# Altium PCB CONTROLLER.PcbDoc (part 1 of 4) (continued)
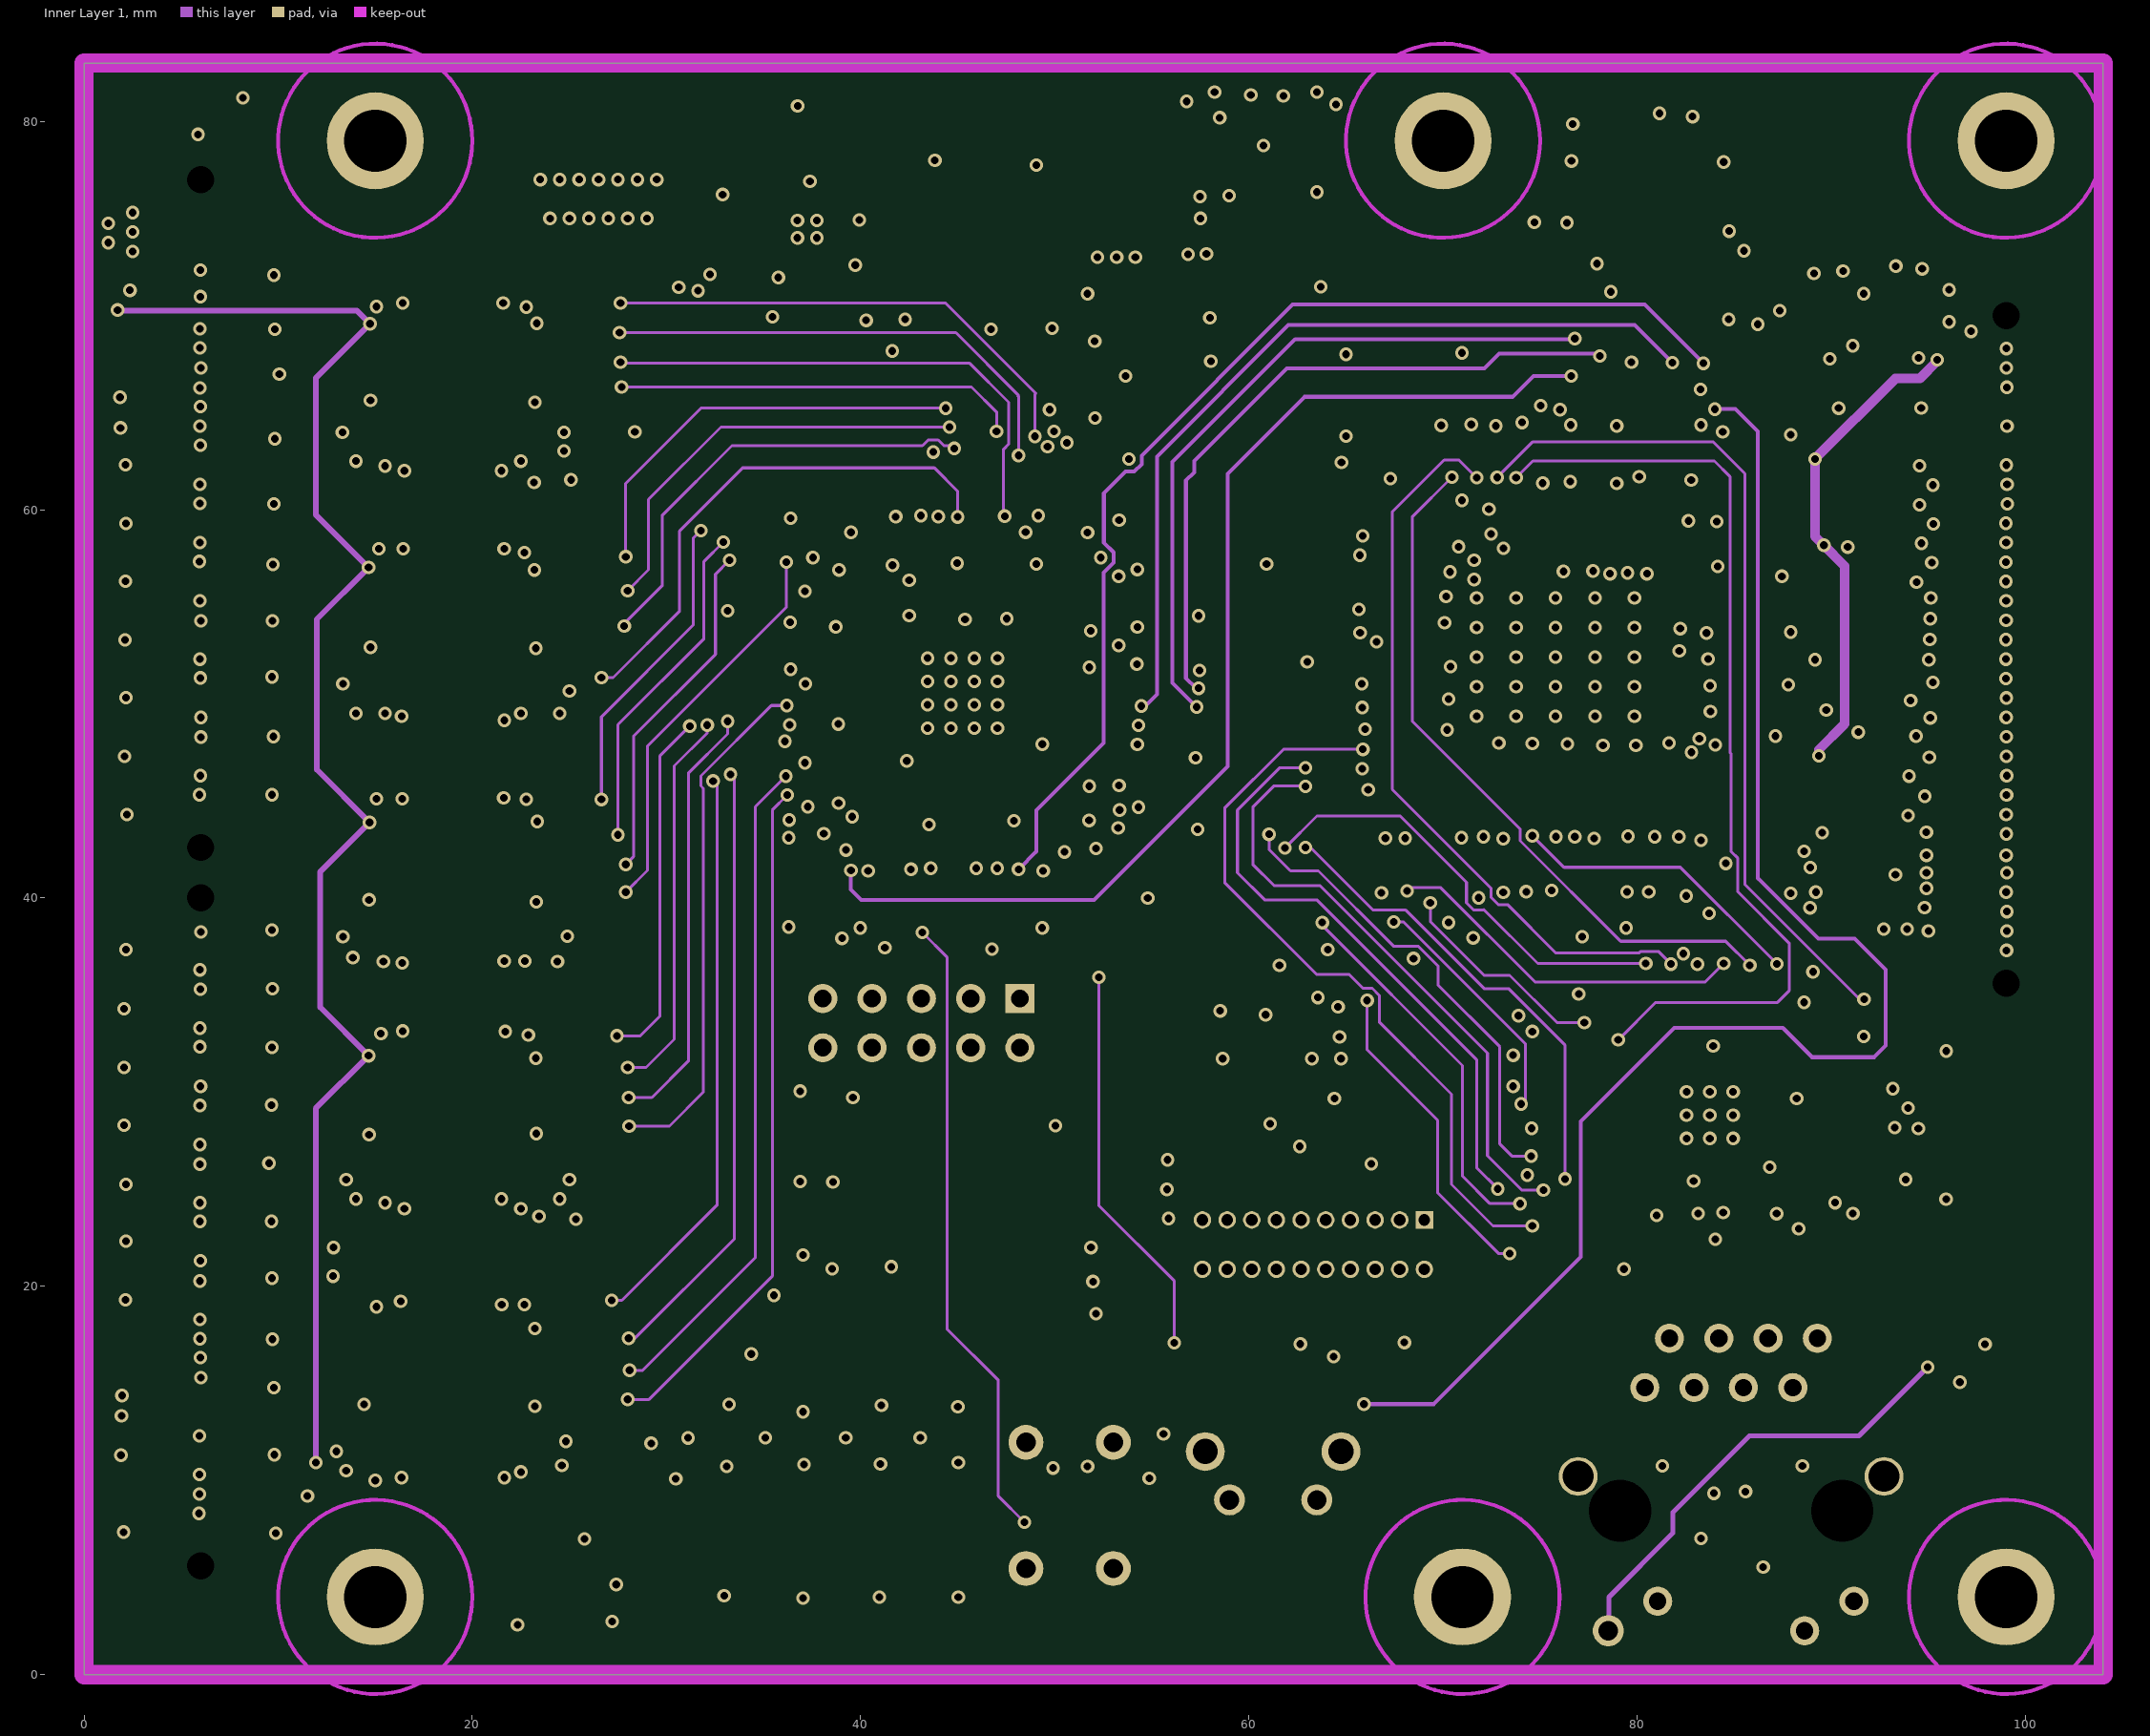
[diagram p3: Inner Layer 1]
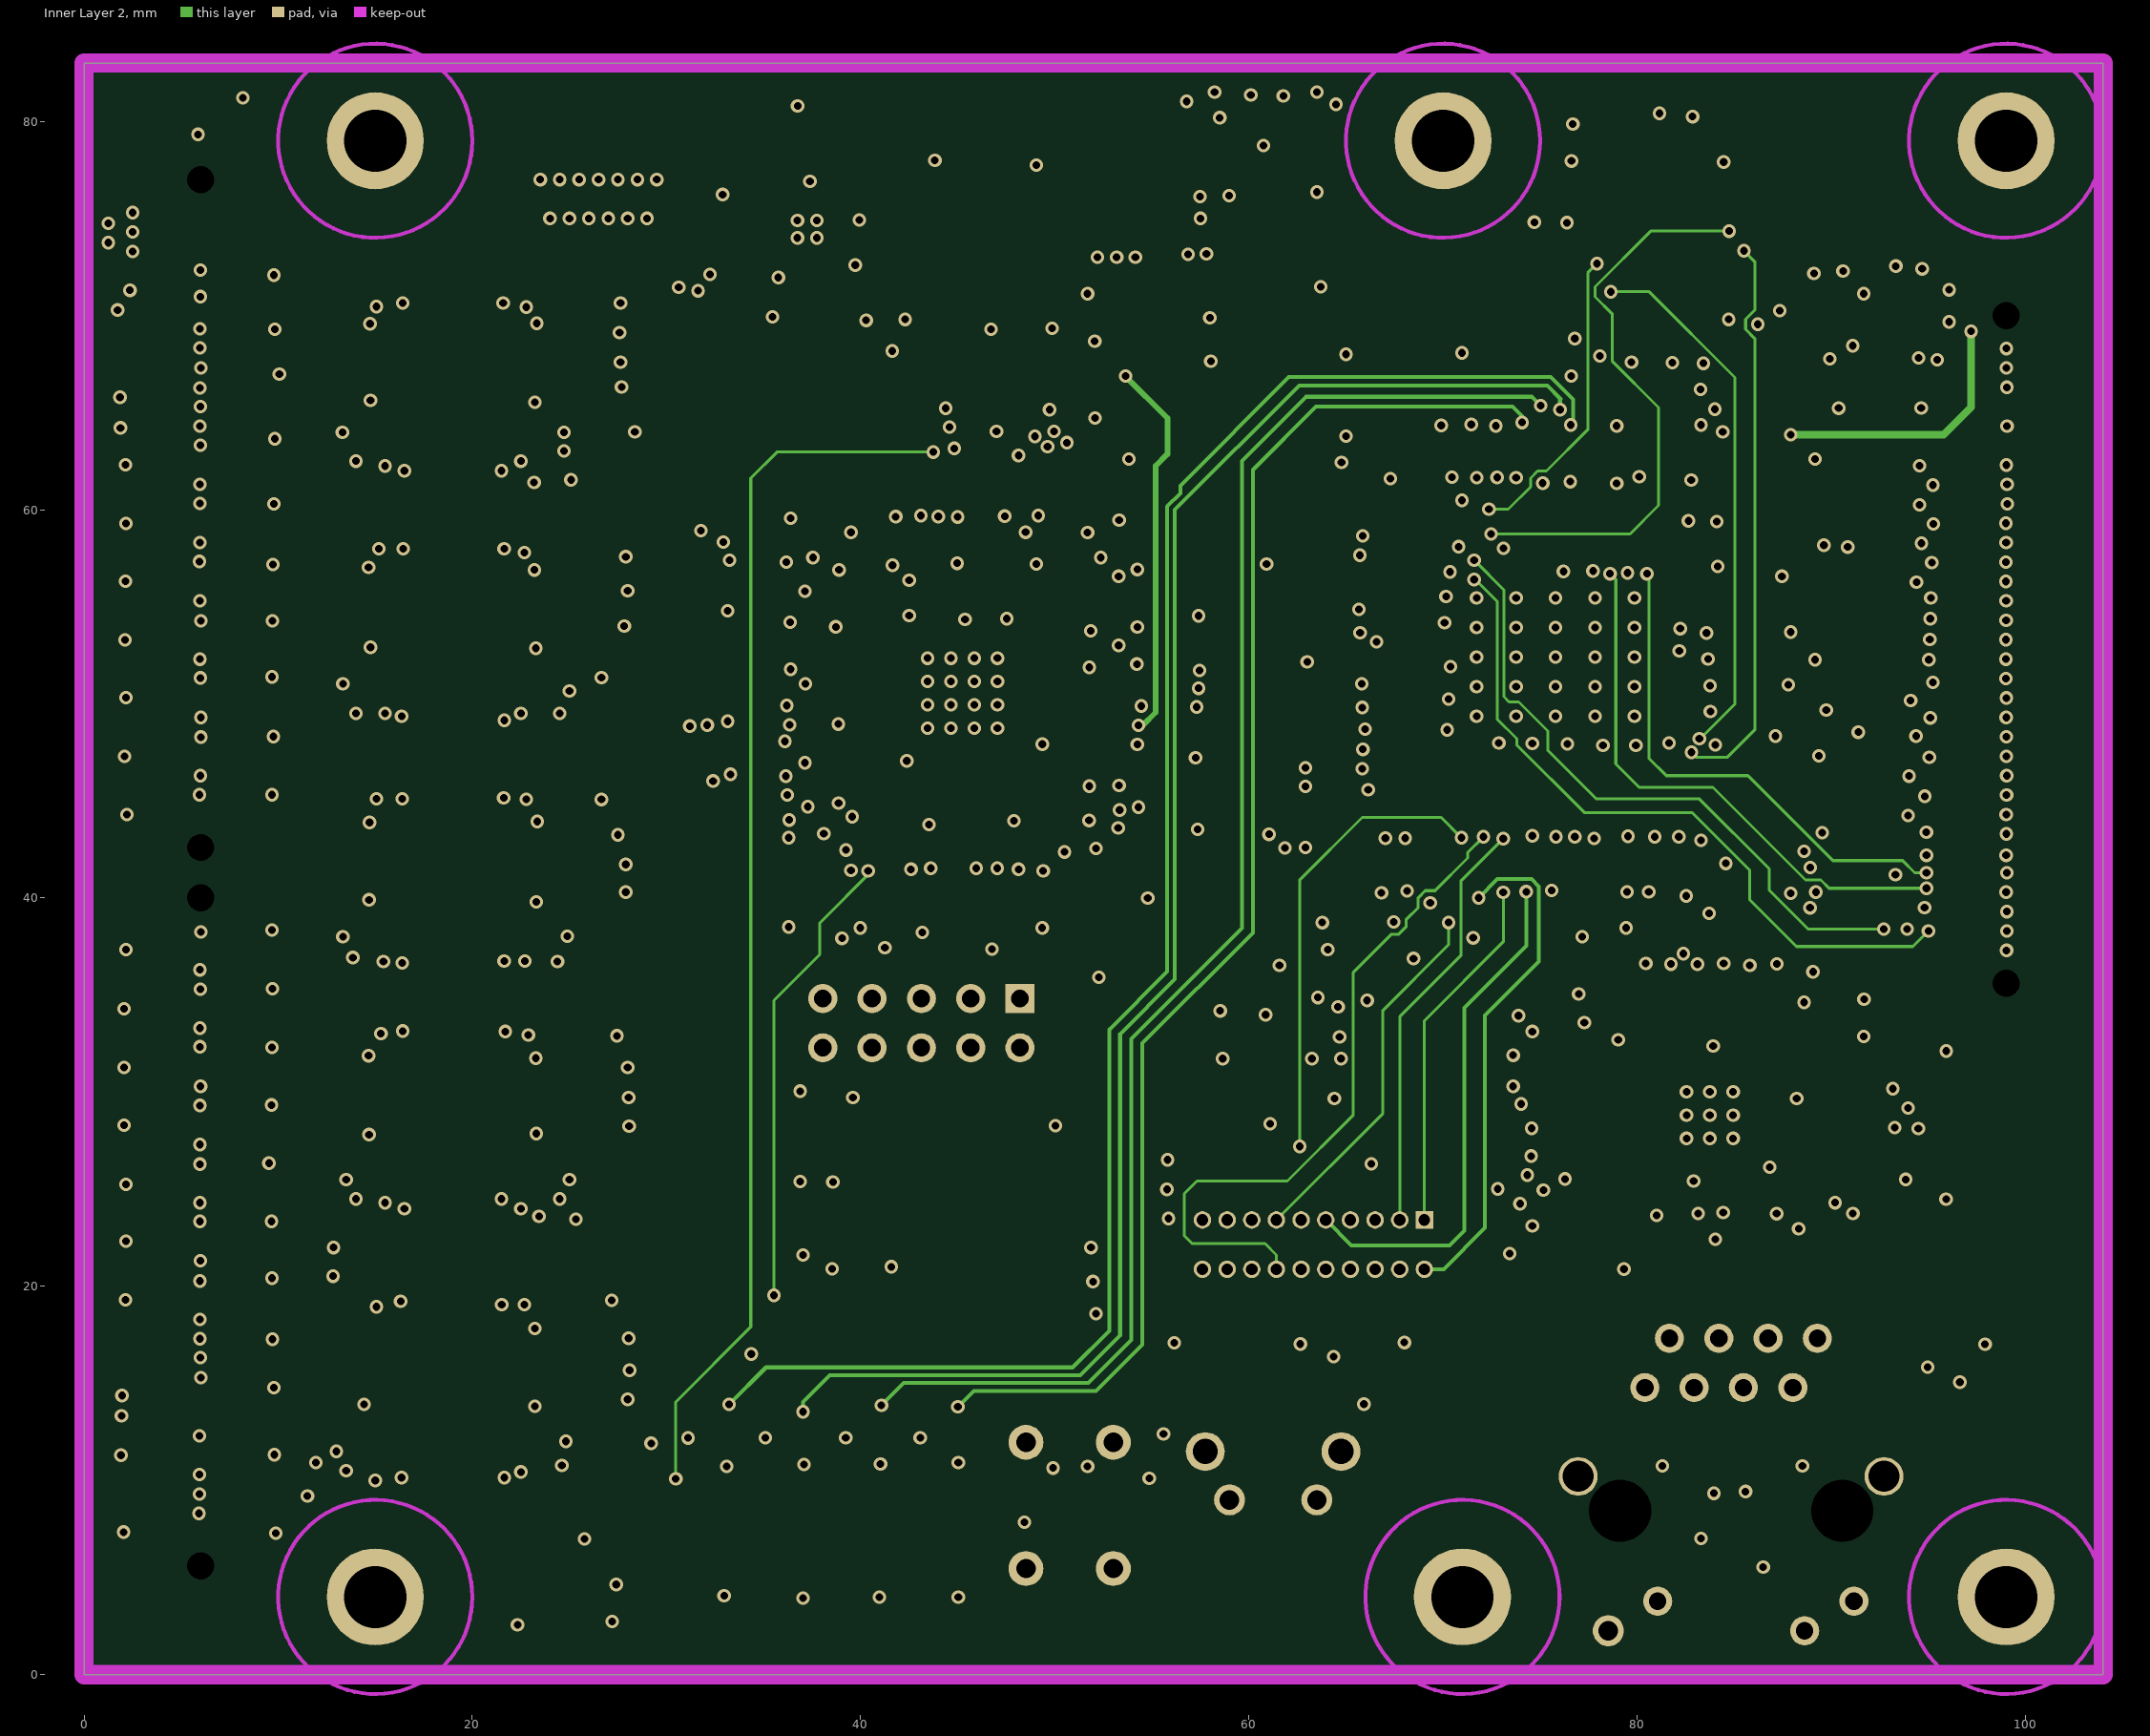
[diagram p4: Inner Layer 2]
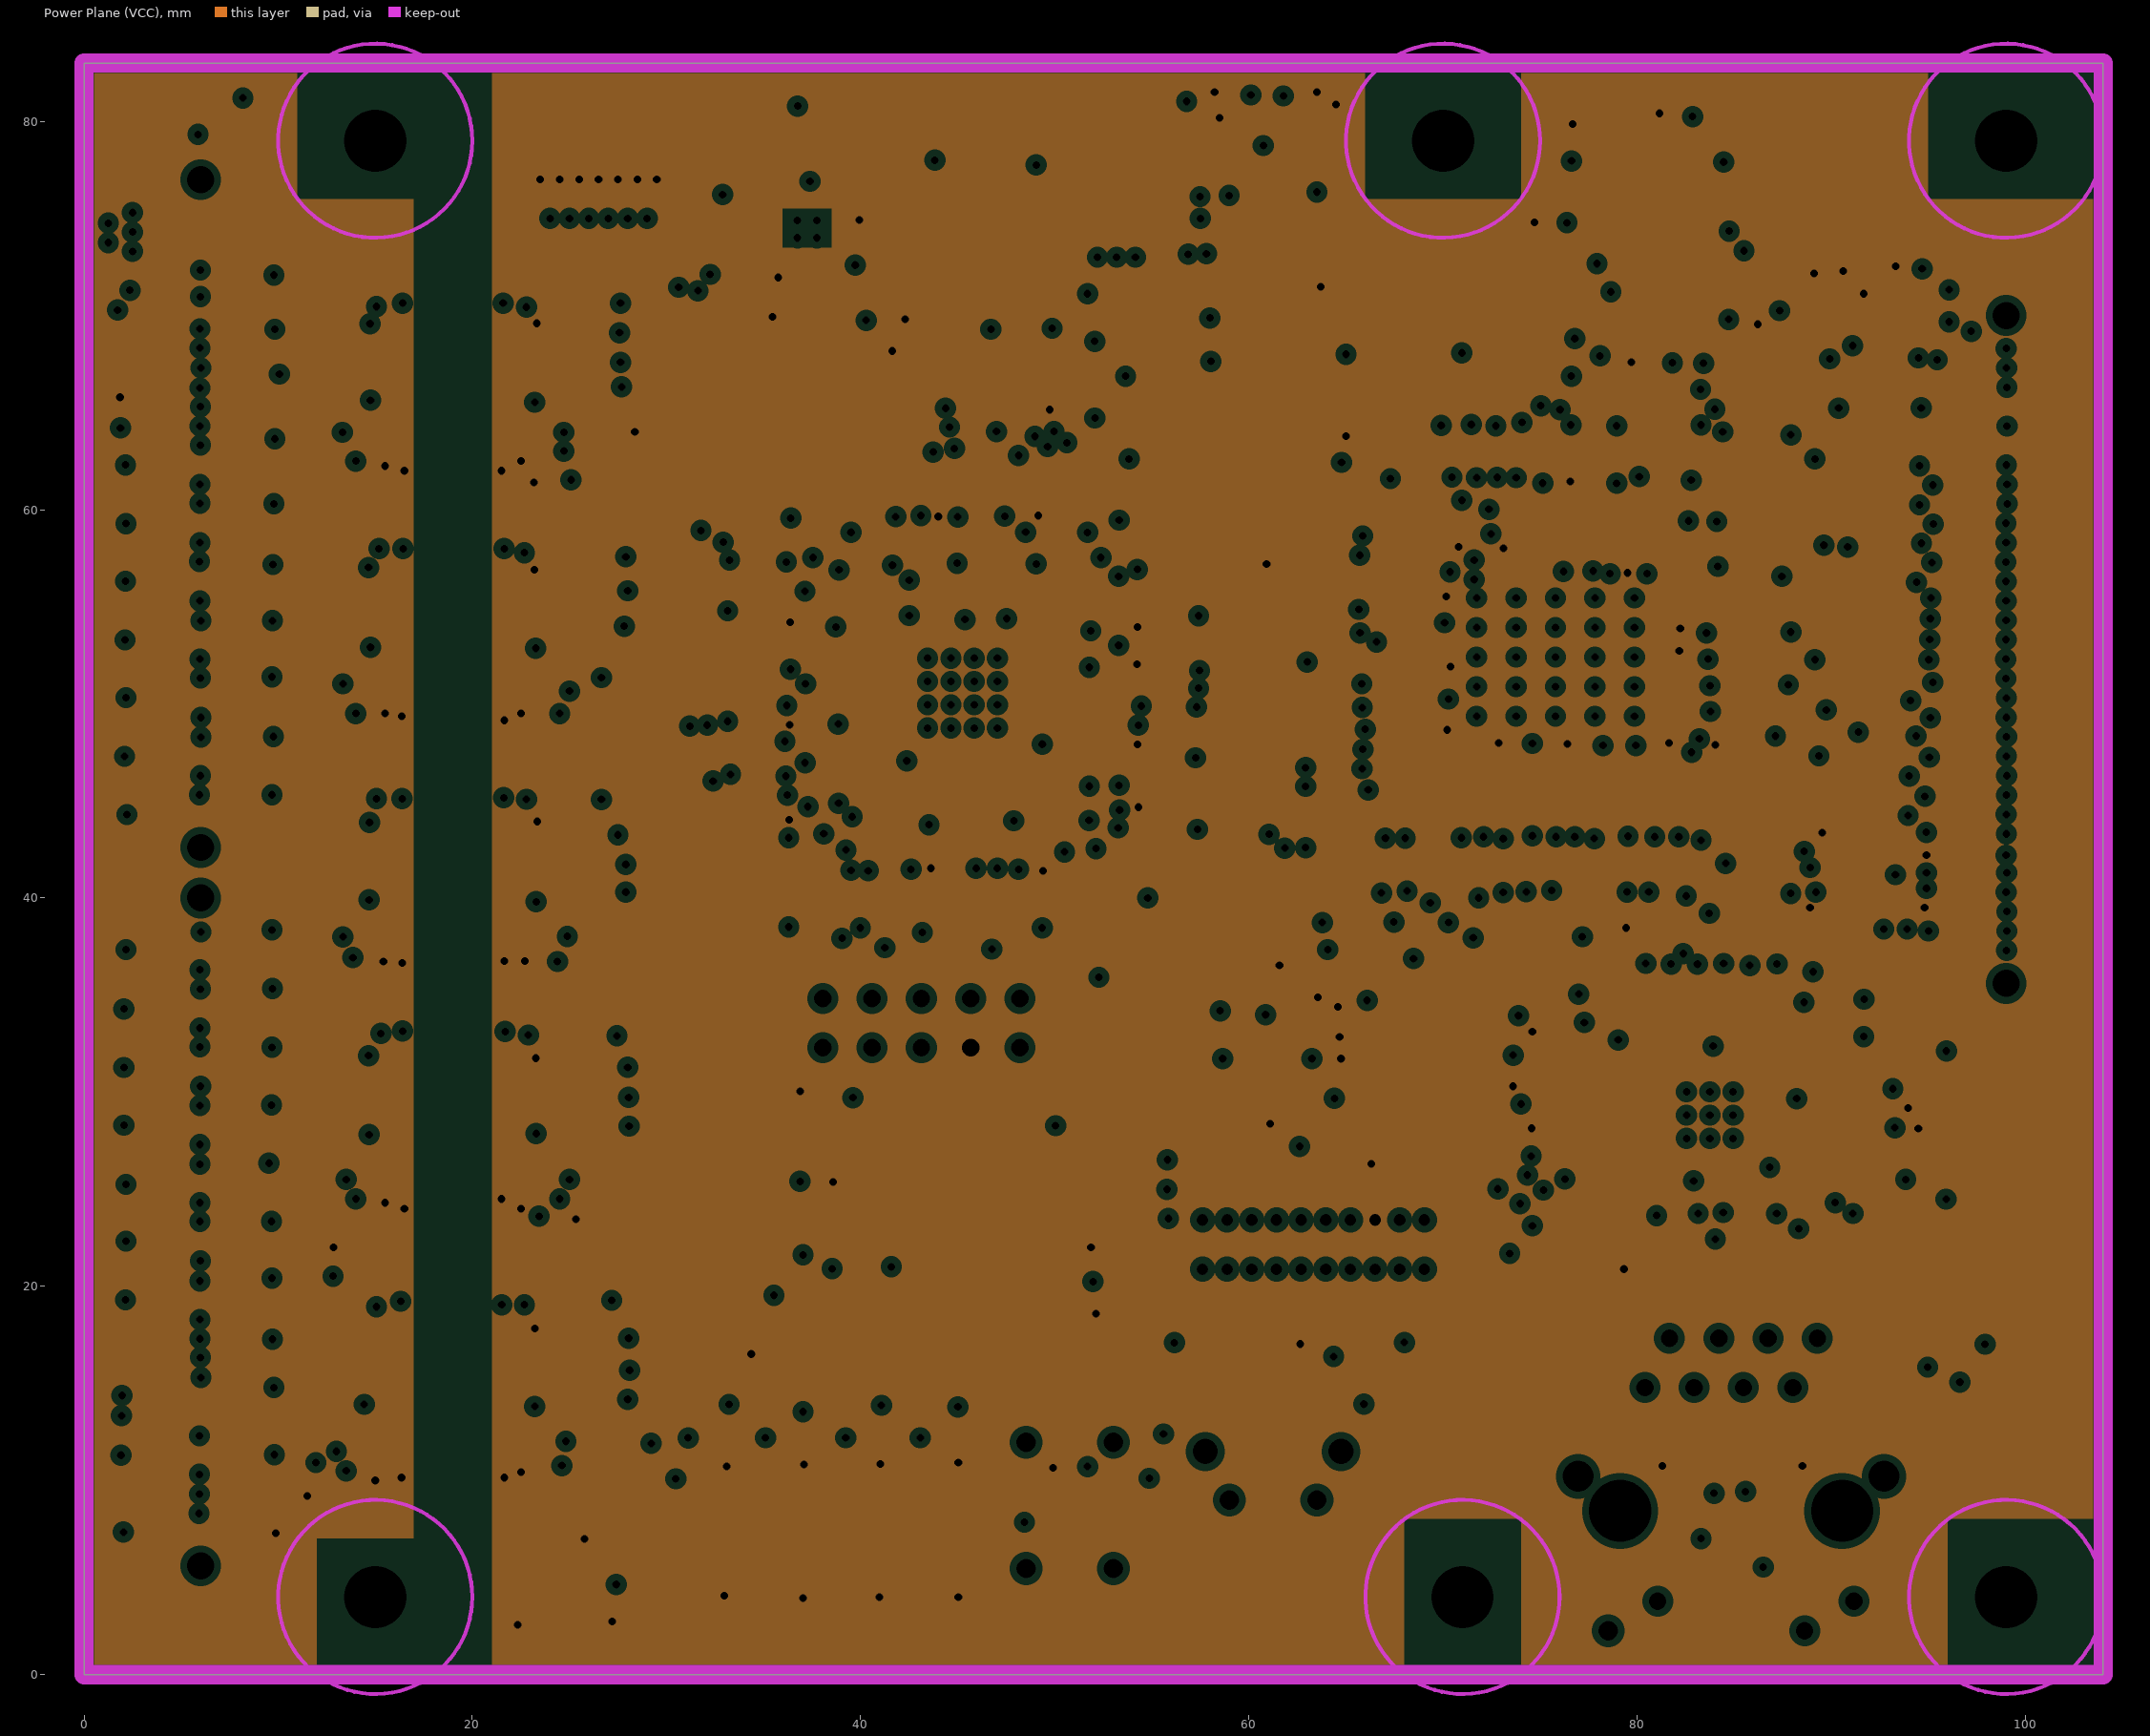
[diagram p5: Power Plane (VCC), clearances drawn from the general rule]

## Layer stack, top to bottom
Top Solder: solder mask 0.0102, Solder Resist, Dk 3.5
Component Side: signal copper 0.0356
Dielectric 1: core 0.32, FR-4, Dk 4.8
Ground Plane (GND): plane copper 0.036, net (Multiple Nets)
Dielectric 3: prepreg 0.127, Dk 4.2
Inner Layer 1: signal copper 0.036
Dielectric 6: core 0.254, Dk 4.2
Inner Layer 2: signal copper 0.036
Dielectric 5: prepreg 0.127, Dk 4.2
Power Plane (VCC): plane copper 0.036, net (Multiple Nets)
Dielectric 4: core 0.254, Dk 4.2
Solder Side: signal copper 0.0356
Bottom Solder: solder mask 0.0102, Solder Resist, Dk 3.5

## Board outline
0,0 0,83 104,83 104,0

## Design rules (kind name [scope] priority, off if disabled: settings)
AssemblyTestPointUsage [All] p1 off: valid=2
AssemblyTestpoint [All] p1 off: testpointundercomponent=TRUE minsize=1.016 maxsize=2.54 preferedsize=1.524 minholesize=0 maxholesize=1.016 preferedholesize=0.813 testpointgrid=0.025 usegrid=TRUE gridtolerance=0 allowsidetop=TRUE allowsidebottom=TRUE
Clearance Clearance_3 [OnLayer('Solder Side')] p1: gap=0.15 ignorepadtopadclearanceinfootprint=FALSE
Clearance Clearance_5 [OnLayer('Power Plane (VCC)')] p2: gap=0.2 ignorepadtopadclearanceinfootprint=FALSE
Clearance Clearance_4 [OnLayer('Inner Layer 2')] p3: gap=0.2 ignorepadtopadclearanceinfootprint=FALSE
Clearance Clearance_2 [OnLayer('Inner Layer 1')] p4: gap=0.2 ignorepadtopadclearanceinfootprint=FALSE
Clearance Clearance_1 [OnLayer('Ground Plane (GND)')] p5: gap=0.2 ignorepadtopadclearanceinfootprint=FALSE
Clearance [OnLayer('Component Side')] p6: gap=0.15 ignorepadtopadclearanceinfootprint=FALSE
DiffPairsRouting [All] p1: maxlimit=0.15 minlimit=0.15 mostfreqgap=0.15 toplayer_minwidth=0.15 toplayer_maxwidth=0.15 toplayer_prefwidth=0.15 midlayer1_minwidth=0.15 midlayer1_maxwidth=0.15 midlayer1_prefwidth=0.15 midlayer2_minwidth=0.15 midlayer2_maxwidth=0.15 midlayer2_prefwidth=0.15 bottomlayer_minwidth=0.15 bottomlayer_maxwidth=0.15 bottomlayer_prefwidth=0.15 maxuncoupledlength=20.7
FabricationTestPointUsage [All] p1 off: valid=2 allowmultiple=FALSE
FabricationTestpoint [All] p1 off: side=3 testpointundercomponent=TRUE minsize=1.016 maxsize=2.54 preferedsize=1.524 minholesize=0 maxholesize=1.016 preferedholesize=0.813 testpointgrid=0.025 allowsidetop=TRUE allowsidebottom=TRUE usegrid=TRUE gridtolerance=0
HoleSize [All] p1: absolutevalues=TRUE maxlimit=3.54 minlimit=0.025 maxpercent=80.000 minpercent=20.000
MinimumSolderMaskSliver [All] p1: minsoldermaskwidth=0.15
PlaneClearance [All] p1: clearance=0.35
PlaneConnect "Schematic Power Plane Connect Style_2" [InComponent('J1')] p1: planeconnectstyle=Relief reliefexpansion=0.4 reliefentries=4 reliefconductorwidth=0.4 reliefairgap=0.4
PlaneConnect "Schematic Power Plane Connect Style_10" [InComponent('RECONF')] p2: planeconnectstyle=Relief reliefexpansion=0.4 reliefentries=4 reliefconductorwidth=0.4 reliefairgap=0.4
PlaneConnect "Schematic Power Plane Connect Style_9" [InComponent('RESET')] p3: planeconnectstyle=Relief reliefexpansion=0.4 reliefentries=4 reliefconductorwidth=0.4 reliefairgap=0.4
PlaneConnect "Schematic Power Plane Connect Style_1" [InComponent('X2')] p4: planeconnectstyle=Relief reliefexpansion=0.4 reliefentries=4 reliefconductorwidth=0.4 reliefairgap=0.4
PlaneConnect "Schematic Power Plane Connect Style" [InComponent('X1')] p5: planeconnectstyle=Relief reliefexpansion=0.3 reliefentries=4 reliefconductorwidth=0.6 reliefairgap=0.3
PlaneConnect PlaneConnect_3 [InComponentClass('DIP_SMALL')] p6: planeconnectstyle=Relief reliefexpansion=0.3 reliefentries=4 reliefconductorwidth=0.3 reliefairgap=0.3
PlaneConnect PlaneConnect_2 [InComponentClass('DIP_LARGE')] p7: planeconnectstyle=Relief reliefexpansion=0.6 reliefentries=4 reliefconductorwidth=0.6 reliefairgap=0.6
PlaneConnect PlaneConnect_1 [InComponentClass('DIP')] p8: planeconnectstyle=Relief reliefexpansion=0.4 reliefentries=4 reliefconductorwidth=0.4 reliefairgap=0.4
PlaneConnect [All] p9: planeconnectstyle=Direct reliefexpansion=0.508 reliefentries=4 reliefconductorwidth=0.254 reliefairgap=0.254
PolygonConnect PolygonConnect_3 [InComponentClass('DIP_SMALL')] p1: connectstyle=Relief reliefconductorwidth=0.3 reliefentries=4 polygonreliefangle="90 Angle" airgapwidth=0.254
PolygonConnect PolygonConnect_2 [InComponentClass('DIP')] p2: connectstyle=Relief reliefconductorwidth=0.5 reliefentries=4 polygonreliefangle="90 Angle" airgapwidth=0.254
PolygonConnect PolygonConnect_1 [InComponentClass('DIP_LARGE')] p3: connectstyle=Relief reliefconductorwidth=0.8 reliefentries=4 polygonreliefangle="90 Angle" airgapwidth=0.254
PolygonConnect [All] p4: connectstyle=Direct reliefconductorwidth=0.254 reliefentries=4 polygonreliefangle="90 Angle" airgapwidth=0.254
RoomDefinition "CPUMain 3v2" [InComponentClass('CPUMain 3v2')] p1: confinementstyle=ConfineIn formatcopy=TRUE lockcomponents=FALSE outline 105.435,-3.835 -2.489,-3.835 -2.489,86.284 105.435,86.284
RoutingVias [All] p1: holewidth=0.4 width=0.7 viastyle="Through Hole" minholewidth=0.2 minwidth=0.5 maxholewidth=1.6 maxwidth=5
SilkToSilkClearance [All] p1: silktosilkclearance=0.2
SilkToSolderMaskClearance SilkscreenOverComponentPads [IsPad] p1: minsilkscreentomaskgap=0.15 clearancetoexposedcopper=TRUE
SolderMaskExpansion [All] p1: expansion=0.102
Width Width_1 [All] p1: maxlimit=5.254 minlimit=0.15 preferedwidth=0.15
19 further rules are at their usual default settings.

## Classes and differential pairs
differential pair ENETRX: +ENETRX_P -ENETRX_N
differential pair ENETTX: +ENETTX_P -ENETTX_N

## Components (designator, comment, footprint, x,y, rotation, side; value= is the part's Value field where it differs from the comment)
C1 "ChipCap" "SMD CAP 0603" 84.099,61.671 r270 bottom value=2,2uF
C2 "ChipCap" "SMD CAP 0603" 82.169,65.253 r90 bottom value=2,2uF
C3 "ChipCap" "SMD CAP 0603" 81.331,60.274 r270 bottom value=2,2uF
C4 "ChipCap" "SMD CAP 0603" 80.112,62.865 r0 bottom value=2,2uF
C5 "ChipCap" "SMD CAP 0603" 77.724,59.08 r270 bottom value=2,2uF
C6 "ChipCap" "SMD CAP 0603" 76.2,59.055 r270 bottom value=2,2uF
C7 "ChipCap" "SMD CAP 0603" 67.075,47.615 r90 bottom value=2,2uF
C8 "ChipCap" "SMD CAP 0603" 64.567,47.828 r90 bottom value=2,2uF
C9 "ChipCap" "SMD CAP 0603" 68.174,50.241 r0 bottom value=2,2uF
C10 "ChipCap" "SMD CAP 0603" 63.043,49.454 r270 bottom value=2,2uF
C11 "ChipCap" "SMD CAP 0603" 64.287,53.442 r90 bottom value=2,2uF
C12 "ChipCap" "SMD CAP 0603" 65.862,60.706 r90 bottom value=2,2uF
C13 "ChipCap" "SMD CAP 0603" 69.444,62.128 r90 bottom value=2,2uF
C14 "ChipCap" "SMD CAP 0603" 71.526,65.608 r0 bottom value=2,2uF
C15 "ChipCap" "SMD CAP 0603" 68.072,57.709 r180 bottom value=2,2uF
C16 "ChipCap" "SMD CAP 0603" 67.843,54.178 r180 bottom value=2,2uF
C17 "ChipCap" "SMD CAP 0603" 65.862,42.418 r270 bottom value=2,2uF
C18 "ChipCap" "SMD CAP 0603" 65.608,38.989 r270 bottom value=2,2uF
C19 "ChipCap" "SMD CAP 0603" 76.321,39.183 r0 bottom value=2,2uF
C20 "ChipCap" "SMD CAP 0603" 74.6,45.593 r90 bottom value=2,2uF
C21 "ChipCap" "SMD CAP 0603" 78.232,45.568 r270 bottom value=2,2uF
C22 "ChipCap" "SMD CAP 0603" 79.482,41.584 r180 bottom value=2,2uF
C23 "ChipCap" "SMD CAP 0603" 79.934,45.517 r270 bottom value=2,2uF
C24 "ChipCap" "SMD CAP 0603" 85.369,40.157 r180 bottom value=2,2uF
C25 "ChipCap" "SMD CAP 0603" 82.657,41.558 r0 bottom value=2,2uF
C26 "ChipCap" "SMD CAP 0603" 85.776,42.901 r180 bottom value=2,2uF
C27 "ChipCap" "SMD CAP 0603" 86.69,41.529 r180 bottom value=2,2uF
C28 "ChipCap" "SMD CAP 0603" 84.709,67.462 r270 bottom value=0,01uF
C29 "ChipCap" "SMD CAP 0603" 89.154,48.539 r180 top value=2,2uF
C30 "ChipCap" "SMD CAP 0603" 85.852,49.428 r180 bottom value=2,2uF
C31 "ChipCap" "SMD CAP 0603" 89.992,56.871 r180 top value=2,2uF
C32 "ChipCap" "SMD CAP 0603" 86.817,55.397 r180 bottom value=2,2uF
C33 "ChipCap" "SMD CAP 0603" 80.703,29.358 r90 bottom value=0,1uF
C34 "ChipCap" "SMD CAP 0805" 79.052,29.333 r90 bottom value=10uF
C35 "ChipCap" "SMD CAP 0603" 80.514,24.497 r0 bottom value=0,1uF
C36 "ChipCap" "SMD CAP 0603" 80.514,26.072 r0 bottom value=0,1uF
C37 "ChipCap" "SMD CAP 0603" 87.96,27.026 r270 bottom value=0,1uF
C38 "ChipCap" "SMD CAP 0805" 89.632,27.088 r270 bottom value=10uF
C39 "ChipCap" "SMD CAP 0603" 88.697,31.789 r270 bottom value=0,1uF
C40 "ChipCap" "SMD CAP 0805" 90.322,31.918 r270 bottom value=10uF
C41 "ChipCap" "SMD CAP 0603" 90.983,30.15 r0 top value=24pF
C42 "ChipCap" "SMD CAP 0603" 93.015,24.308 r180 top value=24pF
C43 "ChipCap" "SMD CAP 0603" 85.58,11.604 r90 bottom value=0,1uF
C44 "ChipCap" "SMD CAP 0603" 84.785,20.091 r270 bottom value=0,1uF
C45 "ChipCap" "SMD CAP 0603" 93.853,71.323 r0 bottom value=2,2uF
C65 "ChipCap" "SMD CAP 0603" 93.828,69.672 r0 top value=2,2uF
C66 "ChipCap" "SMD CAP 0603" 93.828,71.399 r0 top value=0,1uF
C67 "ChipCap" "SMD CAP 0603" 93.777,63.805 r180 top value=2,2uF
C68 "ChipCap" "SMD CAP 0603" 38.574,23.064 r90 top value=0,01uF
C69 "ChipCap" "SMD CAP 0603" 40.074,23.064 r90 top value=0,1uF
C70 "ChipCap" "SMD CAP 0603" 41.574,23.064 r90 top value=2,2uF
C71 "ChipCap" "SMD CAP 0603" 53.5,23.5 r180 top value=0,01uF
C72 "ChipCap" "SMD CAP 0603" 37.998,47.904 r0 bottom value=0,1uF
C73 "ChipCap" "SMD CAP 0603" 53.5,25 r180 top value=0,1uF
C74 "ChipCap" "SMD CAP 0603" 69.596,36.017 r270 top value=30pF
C75 "ChipCap" "SMD CAP 0603" 75.819,35.966 r270 top value=30pF
C76 "ChipCap" "SMD CAP 0603" 53.5,26.5 r180 top value=2,2uF
C77 "Tant Cap D-case" D 6.02,9.373 r180 top value="100uF, 10V"
C78 "ChipCap" "SMD CAP 0805" 6.045,13.513 r0 top value="10uF X5R 10V 0805"
C79 "ChipCap" "SMD CAP 0603" 4.801,68.097 r270 top value=1nF
C80 "ChipCap" "SMD CAP 0603" 52.629,46.838 r0 bottom value=0,1uF
C81 "ChipCap" "SMD CAP 0603" 49.124,43.332 r270 bottom value=0,1uF
C82 "ChipCap" "SMD CAP 0603" 37.922,52.781 r180 bottom value=2,2uF
C83 "ChipCap" "SMD CAP 0603" 44.78,42.926 r270 bottom value=2,2uF
C84 "ChipCap" "SMD CAP 0603" 52.527,50.597 r0 bottom value=2,2uF
C85 "ChipCap" "SMD CAP 0603" 46.126,58.09 r90 bottom value=2,2uF
C86 "ChipCap" "SMD CAP 0603" 40.462,46.457 r225 bottom value=0,1uF
C87 "ChipCap" "SMD CAP 0603" 40.157,55.118 r135 bottom value=0,1uF
C88 "ChipCap" "SMD CAP 0603" 44.094,55.194 r90 bottom value=0,1uF
C89 "ChipCap" "SMD CAP 0603" 52.705,54.966 r180 bottom value=0,1uF
C91 "ChipCap" "SMD CAP 0603" 55.956,55.448 r0 bottom value=0,1uF
C92 "ChipCap" "SMD CAP 0603" 49.962,45.72 r315 bottom value=0,1uF
C93 "ChipCap" "SMD CAP 0603" 46.888,38.811 r0 bottom value=2,2uF
C94 "ChipCap" "SMD CAP 0603" 56.49,44.729 r0 bottom value=0,1uF
C95 "ChipCap" "SMD CAP 0603" 56.54,48.641 r0 bottom value=0,1uF
C96 "ChipCap" "SMD CAP 0603" 56.49,46.126 r180 bottom value=2,2uF
C97 "ChipCap" "SMD CAP 0603" 52.121,62.154 r270 bottom value=2,2uF
C98 "ChipCap" "SMD CAP 0603" 40.513,57.988 r90 bottom value=0,1uF
C99 "ChipCap" "SMD CAP 0603" 47.396,40.335 r0 bottom value=0,1uF